# Altium PCB mcb2.PcbDoc (part 1 of 2) (continued)
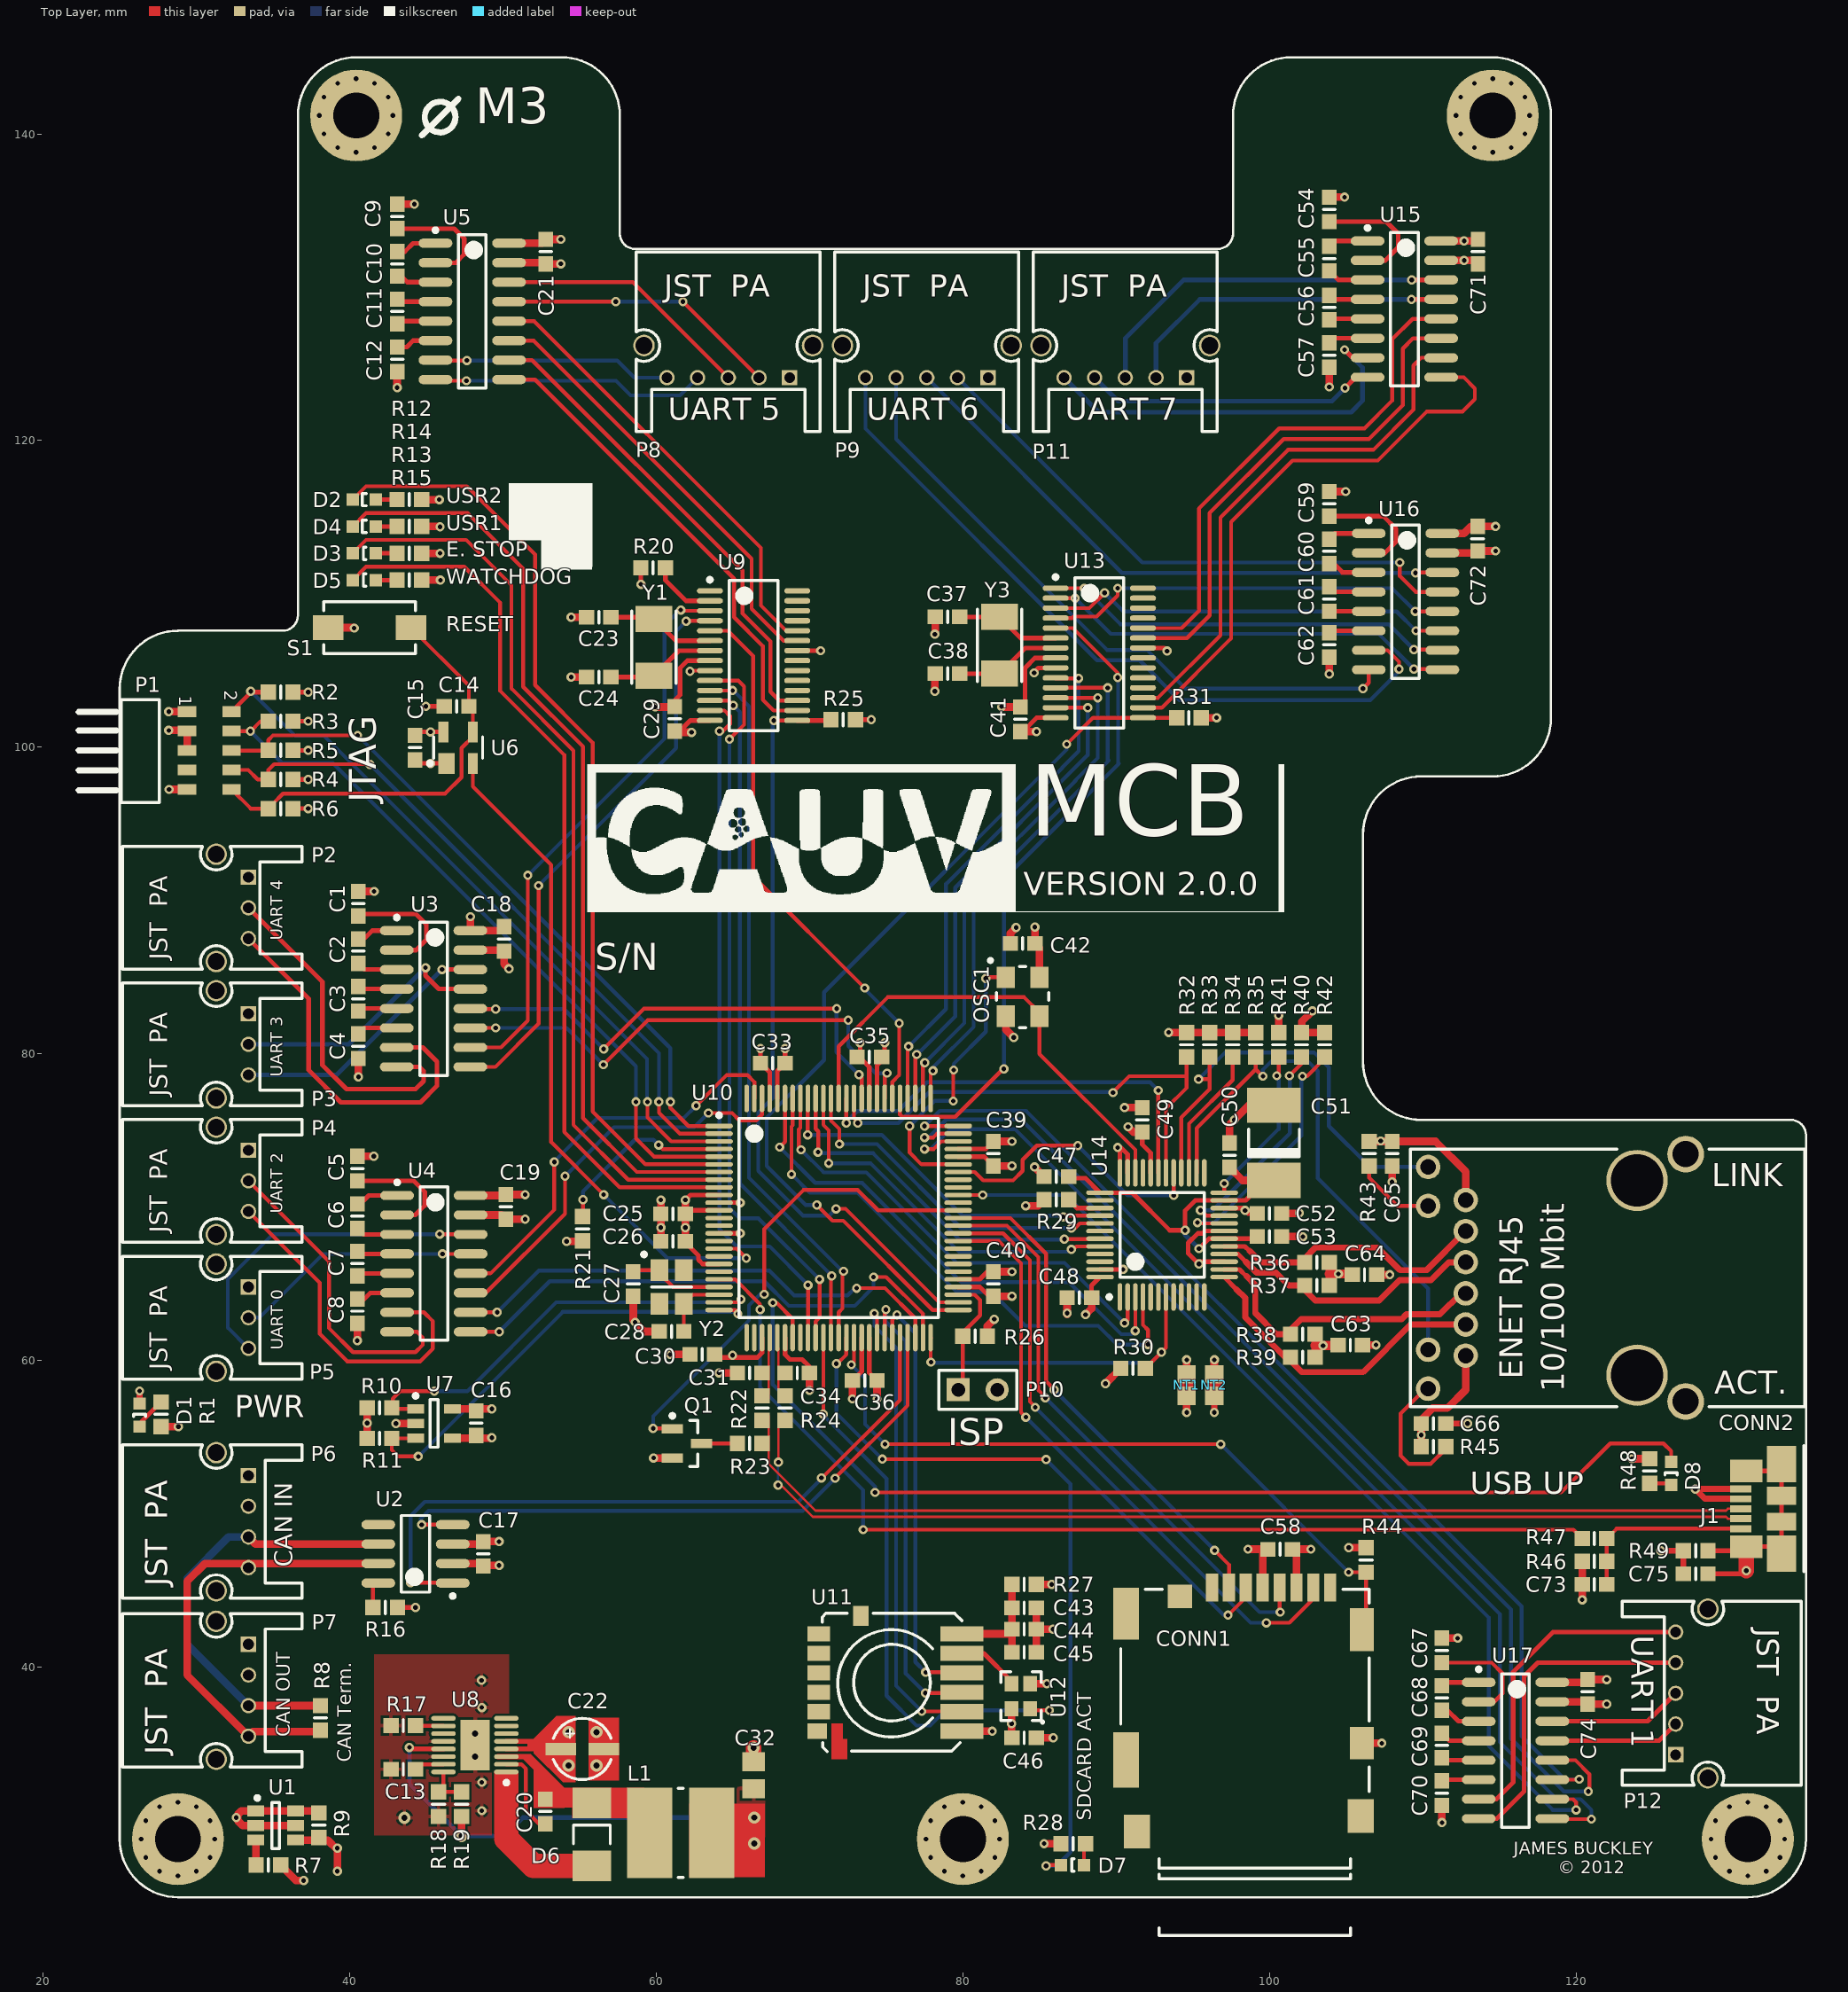
[diagram p0: Top Layer view]
## Footprints (in the part's own frame and the unit in brackets; to place one, negate y for a bottom-side part, rotate by r counter-clockwise, add the part's x,y. Pads: shape width x height; smd on the part's side, far side on the other; paste and mask are expansions set on the pad) (continued)
  rect 1x1 hole 0.7: 1(8,0)
  round 1 hole 0.7: 2(6,0) 3(4,0) 4(2,0) 5(0,0)
  round 1.4 hole 1.1: ""(-1.5,2.1) ""(9.5,2.1)
  silkscreen extent -2,-3.5 10,8.2, body extent -2,-3.5 10,8.2, height 6.5
SC16IS762IPW [mm] "NXP - SC16IS762IPW,112 - IC, DUAL UART, FIFO, 5MBPS 3.6V, TSSOP28"
  oval 1.7x0.35 smd: 1(-2.85,4.225) 2(-2.85,3.575) 3(-2.85,2.925) 4(-2.85,2.275) 5(-2.85,1.625) 6(-2.85,0.975) 7(-2.85,0.325) 8(-2.85,-0.325) 9(-2.85,-0.975) 10(-2.85,-1.625) 11(-2.85,-2.275) 12(-2.85,-2.925) 13(-2.85,-3.575) 14(-2.85,-4.225) 15(2.85,-4.225) 16(2.85,-3.575) 17(2.85,-2.925) 18(2.85,-2.275) 19(2.85,-1.625) 20(2.85,-0.975) 21(2.85,-0.325) 22(2.85,0.325) 23(2.85,0.975) 24(2.85,1.625) 25(2.85,2.275) 26(2.85,2.925) 27(2.85,3.575) 28(2.85,4.225)
  silkscreen extent -2.97,-4.9 1.6,5.07, body extent -2.25,-4.9 2.25,4.9, height 1.1
SDR0604-150YL [mm] "BOURNS - SDR0604-150YL - INDUCTOR, SMD, 15UH, 1.6A"
  rect 2.95x5.9 smd: 1(-2.025,0) 2(2.025,0)
  silkscreen extent -0.15,-2.9 0.15,2.9, body extent -2.9,-2.88 2.9,2.92, height 4.8
SN65HVD230DR [mm] "TEXAS INSTRUMENTS - SN65HVD230DR - TRANSCEIVER CAN, 65HVD230, SOIC8"
  oval 2.2x0.6 smd: 1(-2.425,1.905) 2(-2.425,0.635) 3(-2.425,-0.635) 4(-2.425,-1.905) 5(2.425,-1.905) 6(2.425,-0.635) 7(2.425,0.635) 8(2.425,1.905)
  silkscreen extent -2.55,-2.5 0.92,2.88, body extent -2,-2.5 2,2.5, height 1.75
SOIC127P600X175-16N [mm] "SOIC, 16-Leads, Body 10.0x4.0mm (max), Pitch 1.27mm, IPC Medium Density"
  oval 2.2x0.6 smd: 1(-2.4,4.445) 2(-2.4,3.175) 3(-2.4,1.905) 4(-2.4,0.635) 5(-2.4,-0.635) 6(-2.4,-1.905) 7(-2.4,-3.175) 8(-2.4,-4.445) 9(2.4,-4.445) 10(2.4,-3.175) 11(2.4,-1.905) 12(2.4,-0.635) 13(2.4,0.635) 14(2.4,1.905) 15(2.4,3.175) 16(2.4,4.445)
  silkscreen extent -2.52,-5 0.9,5.42, body extent -2,-5 2,5, height 1.75
STM811 [mm] "SOT143, 4-Leads, Body 3.0x2.6mm (max), Pitch 1.92mm, IPC Medium Density"
  rect 1.35x1.05 smd: 1(-1.025,0.76)
  rect 1.35x0.65 smd: 2(-1.025,-0.96) 3(1.025,-0.96) 4(1.025,0.96)
  silkscreen extent -1.15,-1.6 0.7,1.96, body extent -0.7,-1.52 0.7,1.52, height 1.12
T491C106K035AT [mm] "KEMET - T491C106K035AT - CAPACITOR, CASE C, 10UF, 35V"
  rect 2.3x3.5 smd: 1(-2.45,0) 2(2.45,0)
  silkscreen extent -0.9,-1.65 0.9,1.65, body extent -3.15,-1.75 3.15,1.75, height 2.8
USB_MICRO_CONNECTOR [mm] "MOLEX - 47346-0001 - RECEPTACLE, MICRO USB B, BOTTOM MOUNT"
  rect 1.38x0.45 smd: 1(2.66,0.46) 2(2.66,-0.19) 3(2.66,-0.84) 4(2.66,-1.49) 5(2.66,-2.14)
  rect 1.9x2.375 smd mask+0.16: 6(0,2.08) 6(0,-3.75)
  rect 1.9x1.175 smd mask+0.16: 6(0,0) 6(0,-1.68)
  rect 2.1x1.475 smd mask+0.16: 6(2.3,1.63) 6(2.3,-3.3)
  silkscreen extent -1.45,-4.94 -1.45,3.26, body extent -2.23,-4.81 3.2,3.17, height 2.69
VS-10BQ030TRPBF [mm] "VISHAY FORMERLY I.R. - VS-10BQ030TRPBF - DIODE, SCHOTTKY, 1A, 30V"
  rect 2x2.5 smd: 1(-2.05,0) 2(2.05,0)
  silkscreen extent -0.6,-1.2 0.6,1.2, body extent -2.2,-1.8 2.2,1.8, height 2.4

## Part data
C1 C2 C3 C4 C5 C6 C7 C8 C9 C10 C11 C12 C13 C14 C15 C16 C17 C18 C19 C20 C21 C23 C24 C25 C26 C27 C28 C29 C30 C31 C32 C33 C34 C35 C36 C37 C38 C39 C40 C41 C42 C43 C44 C45 C46 C47 C48 C49 C50 C52 C53 C54 C55 C56 C57 C58 C59 C60 C61 C62 C63 C64 C65 C66 C67 C68 C69 C70 C71 C72 C73 C74 C75: "Capacitor"
C22 C51: "Polarized Capacitor (Radial)"
CONN1: "MOLEX - 49225-0821 - CONNECTOR, MICRO SD, PUSH/PUSH, 8"
CONN2: "10/100 BASE T"
D1 D2 D3 D4 D5 D7 D8: library part LED2, "Typical RED, GREEN, YELLOW, AMBER GaAs LED"
D6: "Schottky Diode"
J1: "MOLEX - 47346-0001 - RECEPTACLE, MICRO USB B, BOTTOM MOUNT"
NT1 NT2: library part NetTie
OSC1: "TXC - 7C-50.000MBA-T - OSC, 50.000MHZ, 3.3V, SMD, 5.0X3.2"
P1: "Header, 5-Pin, Dual row"
P2 P3 P4 P5: "Header, 3-Pin, Right Angle"
P6 P7: "Header, 4-Pin"
P8 P9 P11 P12: "Header, 5-Pin, Right Angle"
P10: "Header, 2-Pin"
Q1: "P-Channel MOSFET"
R1 R2 R3 R4 R5 R6 R7 R9 R10 R11 R12 R13 R14 R15 R16 R17 R18 R19 R20 R21 R22 R23 R24 R25 R26 R27 R28 R29 R30 R31 R32 R33 R34 R35 R40 R41 R42 R43 R44 R45 R46 R47 R48 R49: library part Res2, "Resistor"
R8: "Resistor"
R36 R37 R38 R39: library part Res1, "Resistor"
S1: "Switch"
U1: "FAIRCHILD SEMICONDUCTOR - FDC608PZ - MOSFET, P, SMD, SSOT-6"
U2: "TEXAS INSTRUMENTS - SN65HVD230DR - TRANSCEIVER CAN, 65HVD230, SOIC8"
U3 U4 U5 U15 U16 U17: "TEXAS INSTRUMENTS - TRSF3232EID - RS232, 1MBIT, LINE DRIV/REC, 16SOIC"
U6: "STMICROELECTRONICS - STM811TW16F - MPU LOW RESET 3.08V, SOT-143-4, 811"
U7: "MICROCHIP - 24AA08T-I/OT - EEPROM SERIAL 8KB, SMD, SOT-23-5"
U9 U13: "NXP - SC16IS762IPW,112 - IC, DUAL UART, FIFO, 5MBPS 3.6V, TSSOP28"
U11: "SENSOR PRESURE 14 BAR 16BIT"
U12: "IQD FREQUENCY PRODUCTS - LF SPXO009686 - OSC, CFPS-109, 32.768K, SMD 2.6 X 2.1, 3"
U14: "100mbit Ethernet PHY"
Y1 Y2 Y3: "Crystal Oscillator"

## Free pads (board coordinates)
  round 6 hole 3: 1(28.8,28.8) 1(40.425,141.2) 1(80,28.8) 1(114.565,141.2) 1(131.2,28.8)

## Via types
v1: diameter 0.6, hole 0.3, Top Layer to Bottom Layer, 213 vias
v2: diameter 0.6, hole 0.3, Top Layer to Bottom Layer, tented both sides, 156 vias
v3: diameter 0.8, hole 0.4, Top Layer to Bottom Layer, tented both sides, 11 vias

## Nets (pads, with @x,y where several pads share a name; then routed paths per layer and width w, separated by ;. In a path a pad name is that pad's centre, name@x,y a point inside that pad or via, vN(x,y) a via of type N, cw(c..) or ccw(c..) an arc to the next point about the centre after c; other vN are vias at no path point)
+3.3: C15.1 C16.1 C17.1 C18.1 C19.1 C21.1 C25.1 C26.1 C29.1 C30.1 C32.1 C33.1 C35.1 C36.1 C39.1 C40.1 C41.1 C42.2 C46.2 C48.1 C49.1 C58.1 C63.1 C64.1 C65.2 C66.2 C71.1 C72.1 C74.1 CONN1.4 CONN2.1 CONN2.6 L1.1 NT1.1 OSC1.4 P1.1 Q1.3 R1.2 R2.2 R3.2 R4.2 R5.2 R6.2 R10.2 R11.2 R12.2 R13.2 R14.2 R15.2 R19.2 R20.2 R21.2 R25.2 R26.2 R27.2 R28.2 R29.2 R30.2 R31.2 R32.2 R33.2 R34.2 R35.2 R36.2 R37.2 R38.2 R39.2 R43.2 R44.2 R45.2 R48.2 U2.3 U3.16 U4.16 U5.16 U6.4 U7.4 U8.13 U9.8 U10.10 U10.12 U10.19 U10.28 U10.42 U10.54 U10.71 U10.84 U10.96 U12.4 U13.8 U14.32 U14.48 U15.16 U16.16 U17.16 | length 177.6
  Top Layer w0.3: R6.2@36.3,96 v2(37.3,96) ; R4.2@36.3,97.9 v2(37.3,97.9) ; R5.2@36.3,99.8 v2(37.3,99.8) ; R3.2@36.3,101.7 v2(37.3,101.7) ; R2.2@36.3,103.6 v2(37.3,103.6) ; v1(43.9,34.775) 44,34.675 U8.13@46.125,34.675 ; C15.1@44.5,101 U6.4@46.115,101 ; v1(59,110.625) R20.2@59,111.7 ; C29.1@61.2,102.65 61.2,103.05 61.55,103.4 61.55,105.175 62.025,105.65 U9.8@63.5,105.65 ; C26.1@61.9,67.775 61.9,67.7 62.75,66.85 62.75,66.575 63.025,66.3 U10.19@64.1,66.3 63.2,66.3 ; C25.1@61.9,69.575 C25.1@62.125,69.8 ; v2(61.9,70.475) 62.225,70.8 U10.10@64.1,70.8 ; C25.1@62.2,69.875 C25.1@62.125,69.8 ; C30.1@64,60.2 66.6,60.2 66.9,60.5 U10.28@66.9,61.5 ; U10.12@64.1,69.8 C25.1@62.125,69.8 ; U10.96@67.9,77.1 67.9,78.9 C33.1@68.4,79.4 v2(68.4,80.35) ; R25.2@73,101.8 v1(74.025,101.8) ; v2(73.3,80.725) 73.3,79.75 73.9,79.15 U10.84@73.9,77.1 ; U10.42@73.9,61.5 73.9,59.2 C36.1@74.4,58.7 ; U10.54@79.7,64.8 81.1,64.8 81.7,64.2 C40.1@82,64.2 ; U10.71@79.7,73.3 81.4,73.3 C39.1@82,72.7 ; C41.1@83.75,102.625 84.05,102.925 84.05,105.175 84.7,105.825 U13.8@86.05,105.825 ; C48.1@88.4,64.1 88.4,64.9 U14.48@88.95,65.45 ; C49.1@91.7,74.9 91.7,74.1 92.25,73.55 U14.32@92.25,72.25 ; C49.1@91.9,74.9 C49.1@91.9,75
  Top Layer w0.5: R1.2@27.7,55.7 v1(28.825,55.7) ; v1(28.2,102.325) P1.1@29.4,102.325 ; R11.2@41.15,54.925 R10.2@41.15,56.925 ; R15.2@44.7,110.9 v1(45.925,110.9) ; R13.2@44.7,112.65 v1(45.9,112.65) ; R14.2@44.7,114.4 45.875,114.4 v1(45.9,114.375) ; R12.2@44.7,116.15 v1(45.85,116.15) ; U7.4@46.707,54.952 49.252,54.952 v1(49.275,54.975) ; U2.3@46.725,48.035 C17.1@48.56,48.035 ; v3(47.3,29) R19.2@47.3,30.275 ; v1(47.875,88.95) U3.16@47.875,88.045 49.82,88.045 C18.1@50.075,88.3 ; U4.16@47.9,70.77 50.145,70.77 C19.1@50.2,70.825 v1(51.45,70.825) ; C17.1@48.8,48.275 C17.1@48.725,48.2 ; v1(49.75,48.2) C17.1@48.725,48.2 ; U5.16@50.4,132.87 52.545,132.87 C21.1@52.8,133.125 v1(53.775,133.125) ; v1(54.15,67.775) 55.175,67.775 R21.2@55.2,67.8 ; v1(59.825,53.65) Q1.3@61.05,53.65 ; v1(59.925,102.625) 61.175,102.625 C29.1@61.2,102.65 ; C26.1@61.9,67.775 v2(61.9,68.675) C25.1@61.9,69.575 v2(61.9,70.475) ; v2(74.4,57.5) C36.1@74.4,58.7 ; R26.2@81.6,61.6 81.6,62.25 v1(82.05,62.7) ; C40.1@82,64.2 v2(83.2,64.2) ; C39.1@82,72.7 v2(83.2,72.7) ; v1(82.525,102.65) 82.55,102.625 C41.1@83.75,102.625 ; U12.4@83.175,37.3 83.175,35.425 C46.2@83.2,35.4 ; v2(84.1,70.1) 84.9,70.1 R29.2@85.3,70.5 ; v1(84.7,88.275) C42.2@84.7,87.2 85,86.9 OSC1.4@85,85 ; R27.2@84.8,45.4 v1(85.8,45.4) ; v1(85.3,28.5) R28.2@86.4,28.5 ; v1(88,63) 88.4,63.4 C48.1@88.4,64.1 ; v1@89.3,58.5 R30.2@90.3,59.5 ; v1(90.775,75.25) 91.125,74.9 C49.1@91.7,74.9 ; v1@93.425,81.4 R35.2@99.1,81.4 ; v1(94.6,56.625) NT1.1@94.6,57.7 ; R31.2@95.55,101.925 v1(96.55,101.925) ; v2(98.6,47.7) C58.1@99.9,47.7 99.56,47.36 CONN1.4@99.56,45.2 ; R39.2@102.975,60.222 102.975,60.975 R38.2@102.975,61.722 ; R37.2@103.9,64.9 103.9,65.653 R36.2@103.9,66.4 ; v1(105.175,47.8) R44.2@106.3,47.8 ; R43.2@106.5,74.3 110.825,74.3 112.8,72.325 CONN2.1@112.8,70.475 ; R45.2@109.9,54.4 C66.2@109.9,55.9 109.9,56.15 110.65,56.9 111.6,56.9 112.8,58.1 CONN2.6@112.8,60.325 ; U15.16@111.2,133.02 C71.1@113.495,133.02 ; U16.16@111.275,113.945 112.695,113.945 113.15,114.4 C72.1@113.575,114.4 v1(114.75,114.4) ; U17.16@118.45,39.02 C74.1@120.57,39.02 ; C74.1@120.75,39.2 v2(122,39.2) ; v1(123.65,53.6) R48.2@124.8,53.6 ; C17.1@48.56,48.035 C17.1@48.725,48.2 ; C17.1@48.56,48.035 C17.1@48.725,48.2
  Top Layer w0.6: 102.975,60.975 C63.1@104.428,60.975 ; 103.9,65.653 C64.1@105.347,65.653
  Bottom Layer w0.3: v1(43.9,34.775) 43.9,32.4 v3(47.3,29) 50.1,29 51.3,30.2 v3(66.4,30.2)
  other v1: 89.3,58.5 93.425,81.4
  other v2: 83.175,36.325 109.9,55.15 41.15,55.925 64.975,60.35 103.5,60.975 104.5,65.653 107.25,74.325 45.275,101 112.7,133.02
  other v3: 66.4,28.5
+3.3A: C52.1 NT1.2 R40.2 R42.2 U14.22 | length 6.5
  Top Layer w0.3: U14.22@97.05,69.95 98.25,69.95 98.6,69.6 C52.1@99.2,69.6
  Top Layer w0.5: NT1.2@94.6,59 v1(94.6,60.05) ; v1(102.8,82.8) 102.1,82.1 R40.2@102.1,81.4 R42.2@103.6,81.4
  other v2: 98.406,69.794
A\C\T\_\L\E\D\: CONN2.9 R35.1 U14.26 | length 35.5
  Top Layer w0.25: U14.26@95.25,72.25 95.25,75.15 99.1,79 ; R35.1@99.1,79.8 99.1,79 ; v1(99.575,78.55) 99.55,78.55 99.1,79
  Bottom Layer w0.25: v1(99.575,78.55) 99.575,78.975 100.125,79.525 102.5,79.525 103.15,78.875 103.15,71.9 110.35,64.7 CONN2.9@110.35,60.71
AGND: C52.2 NT2.2 U14.15 U14.19 | length 8.7
  Top Layer w0.25: U14.19@97.025,68.425 U14.19@97.05,68.45
  Top Layer w0.3: v2(95.4,66.3) v2@95.25,66.45 ; U14.15@97.05,66.45 v2@95.25,66.45 ; U14.19@97.05,68.45 95.798,68.45 95.648,68.3 95.325,68.3 94.7,67.675 94.7,67 v2@95.25,66.45 ; C52.2@100.8,69.6 C52.2@101.2,69.6
  Top Layer w0.5: NT2.2@96.4,59.1 96.4,60.048 v1(96.405,60.053) ; C52.2@100.8,69.6 101.925,69.6 v1(101.95,69.625)
B\R\D\_\R\E\S\E\T\: C14.1 P1.10 R6.1 S1.2 U6.3 | length 28
  Top Layer w0.25: P1.10@32.3,97.25 33.55,96 R6.1@34.7,96 ; R6.1@34.7,96.3 34.975,96.3 35.65,96.975 46.225,96.975 47.3,98.05 47.3,99.95 48.035,100.685 48.035,102.415 C14.1@47.775,102.675 47.775,104.025 S1.2@44,107.8
CAN.RXD: U2.4 U10.47 | length 42
  Top Layer w0.25: v1(44.7,49.3) U2.4@46.72,49.3 ; v1(71.675,52.325) 71.656,52.306 71.633,52.306 71.633,52.309 76.4,57.076 U10.47@76.4,61.5
  Bottom Layer w0.25: v1(44.7,49.3) 44.65,49.35 44.65,49.7 45.15,50.2 69.55,50.2 v1(71.675,52.325) v1@71.675,52.139
CAN.TXD: U2.1 U10.46 | length 46.3
  Top Layer w0.25: v1(43.975,45.525) 46.695,45.525 U2.1@46.725,45.495 ; v1(70.775,52.35) 70.825,52.35 75.9,57.425 U10.46@75.9,61.5
  Bottom Layer w0.25: v1(43.975,45.525) 43.975,49.874 44.901,50.8 69.275,50.8 70.775,52.3 v1(70.775,52.35)
CTS_TIE: R20.1 U9.2 | length 4.3
  Top Layer w0.3: R20.1@60.6,111.7 60.6,110.9 61.95,109.55 U9.2@63.5,109.55
ENET_OSC_EN: OSC1.1 U10.70 | length 19
  Top Layer w0.25: v1(76.525,75.3) 76.525,73.575 77.3,72.8 U10.70@79.7,72.8 ; v1(79.375,76.925) 79.375,78.925 v1(79.4,78.95) ; v1(81.5,84.925) 81.575,85 OSC1.1@82.8,85
  Bottom Layer w0.25: v1(76.525,75.3) 78.175,76.95 79.35,76.95 v1(79.375,76.925) ; v1(79.4,78.95) 79.4,79.35 81.5,81.45 v1(81.5,84.925)
ENET_RD_N: CONN2.5 R39.1 U14.13 | length 20.5
  Top Layer w0.3: U14.13@97.05,65.45 97.85,64.65
  Top Layer w0.4: 97.85,64.65 98.415,64.085 98.415,62.827 101.02,60.222 R39.1@101.375,60.222 101.375,60 102.125,59.25 106.1,59.25 109.205,62.355 109.805,62.355 CONN2.5@112.8,62.355
ENET_RD_P: CONN2.4 R38.1 U14.14 | length 19.7
  Top Layer w0.3: U14.14@97.05,65.95 98.05,65.95 98.5,65.5
  Top Layer w0.4: 98.5,65.5 99.075,64.925 99.075,63.1 100.453,61.722 101.097,61.722 102.07,62.695 102.08,62.695 102.075,62.7 104.65,62.7 108.617,62.7 108.932,63.015 111.125,63.015 112.495,64.385 CONN2.4@112.8,64.385
ENET_TD_N: CONN2.3 R37.1 U14.16 | length 18.2
  Top Layer w0.3: U14.16@97.05,66.95 97.95,66.95 98.45,66.45
  Top Layer w0.4: 98.45,66.45 99.16,65.74 100.425,65.74 101.265,64.9 R37.1@102.3,64.9 102.3,64.625 103,63.925 107.16,63.925 108.475,65.24 110.528,65.24 111.703,66.415 CONN2.3@112.8,66.415
ENET_TD_P: CONN2.2 R36.1 U14.17 | length 18.4
  Top Layer w0.3: U14.17@97.05,67.45 98.4,67.45 98.7,67.15
  Top Layer w0.4: 98.7,67.15 99.45,66.4 R36.1@102.3,66.4 102.3,66.675 103,67.375 107.05,67.375 108.525,65.9 110.255,65.9 CONN2.2@112.8,68.445
GND: C1.2 C4.2 C5.2 C8.2 C9.2 C12.2 C13.2 C14.2 C15.2 C16.2 C17.2 C18.2 C19.2 C21.2 C22.2 C23.2 C24.2 C25.2 C26.2 C27.2 C28.2 C29.2 C30.2 C31.2 C32.2 C33.2 C34.2 C35.2 C36.2 C37.2 C38.2 C39.2 C40.2 C41.2 C42.1 C43.1 C44.1 C45.1 C46.1 C47.2 C48.2 C49.2 C50.2 C51.2 C53.2 C54.2 C57.2 C58.2 C59.2 C62.2 C63.2 C64.2 C65.1 C66.1 C67.2 C70.2 C71.2 C72.2 C73.2 C74.2 C75.2 CONN1.6 CONN1.10 CONN2.11 CONN2.12 CONN2.13 CONN2.14 D1.2 J1.4 J1.5 NT2.1 OSC1.2 P1.3 P1.5 P1.9 P2.1 P3.1 P4.1 P5.1 P6.1 P7.1 P8.1 P9.1 P10.2 P11.1 P12.1 R7.1 R16.1 R17.1 R18.1 R41.1 R46.1 R49.1 S1.1 U2.2 U3.15 U4.15 U5.15 U6.1 U7.2 U7.5 U8.12 U8.14 U8.17 U9.9 U9.14 U9.22 U10.11 U10.15 U10.31 U10.41 U10.55 U10.72 U10.83 U10.97 U11.1 U12.2 U13.9 U13.14 U13.22 U14.35 U14.36 U14.47 U15.15 U16.15 U17.15 | length 153.4
  Top Layer w0.25: v1(62.2,104.95) 62.25,105 U9.9@63.5,105
  Top Layer w0.3: R16.1@43.125,43.9 v1(44.3,43.9) ; C15.2@44.5,98.95 U6.1@46.315,98.95 ; v1(44.975,102.675) C14.2@46.175,102.675 ; C29.2@61.45,100.975 62.225,101.75 U9.14@63.5,101.75 ; U10.15@64.1,68.3 v2(65.475,68.3) ; U10.11@64.1,70.3 v2(65.475,70.3) ; v2(66.8,80.35) C33.2@66.8,79.4 67.4,78.8 U10.97@67.4,77.1 ; U10.31@68.4,61.5 68.4,60.4 68.725,60.075 69.525,60.075 70,59.6 C34.2@70,59.2 ; U9.22@69.2,106.3 v1(70.725,106.3) ; C36.2@72.8,58.7 73.4,59.3 U10.41@73.4,61.5 ; U10.83@74.4,77.1 74.4,79.25 74.9,79.75 v2(74.9,80.725) ; U10.55@79.7,65.3 81.1,65.3 81.6,65.8 C40.2@82,65.8 ; U10.72@79.7,73.8 81.5,73.8 C39.2@82,74.3 ; C41.2@83.75,101.025 83.925,101.025 84.825,101.925 U13.14@86.05,101.925 ; v1(84.654,104.855) 84.654,104.904 84.925,105.175 U13.9@86.05,105.175 ; U14.47@88.95,65.95 v2(90.45,65.95) ; U14.36@90.25,72.25 90.25,73.75 v2(90.1,73.9) 90.3,73.9 90.75,73.45 U14.35@90.75,72.25 ; U13.22@91.75,106.475 93.125,106.475 v1(93.325,106.275)
  Top Layer w0.4: D1.2@26.3,57.2 v1(26.3,58.025) ; v1(96.4,56.625) NT2.1@96.4,57.7 ; C66.1@111.5,55.9 v1(112.925,55.9) ; v1(125.525,47.6) R49.1@127,47.6 C75.2@127,46.1 ; v1(127.775,51.625) 128.41,50.99 J1.4@130.74,50.99 ; v1@127.775,51.64 J1.5@130.74,51.64
  Top Layer w0.5: v1(28.2,101.1) 29.356,101.1 P1.3@29.4,101.056 P1.5@29.4,99.788 ; v1(28.225,97.25) P1.9@29.4,97.25 ; R7.1@35.5,27.1 36.5,26.1 v2(37,26.1) ; S1.1@38.6,107.8 40.275,107.8 v1(40.3,107.775) ; v1(40.5,61.3) C8.2@40.5,62.425 ; C5.2@40.5,73.325 v1(41.575,73.325) ; v1(40.575,78.5) C4.2@40.575,79.7 ; C1.2@40.575,90.6 v1(41.6,90.6) ; v1(43.027,55.902) U7.2@44.307,55.902 ; v1(43.1,123.45) C12.2@43.1,124.5 ; C9.2@43.1,135.425 v1(44.225,135.425) ; U7.5@46.707,56.852 48.123,56.852 48.125,56.85 v1(49.275,56.85) ; U2.2@46.725,46.765 48.56,46.765 48.675,46.65 v1(49.75,46.65) ; U3.15@47.875,86.775 C18.2@50,86.775 ; U4.15@47.9,69.5 C19.2@49.925,69.5 ; C18.2@50.075,86.7 50.075,85.875 v1(50.4,85.55) ; C19.2@50.2,69.225 v1(51.45,69.225) ; U5.15@50.4,131.6 C21.2@52.725,131.6 ; C21.2@52.8,131.525 v1(53.775,131.525) ; v1(54.45,104.575) C24.2@55.45,104.575 ; v1(54.45,108.475) C23.2@55.45,108.475 ; C27.2@58.5,64.2 58.5,62.625 59.225,61.9 C28.2@60.2,61.9 ; C26.2@60.3,67.775 v2(60.3,70.475) ; v1(60.9,60.4) C30.2@62.2,60.4 ; C29.2@61.2,101.05 61.275,100.975 61.975,100.975 v1(62.3,100.975) ; v1(64.1,59.2) C31.2@65.3,59.2 ; v1(70,58.05) C34.2@70,59.2 ; v2(72.8,57.5) C36.2@72.8,58.7 ; v1(78.175,103.65) 78.175,104.775 C38.2@78.2,104.8 ; v1(78.175,107.375) 78.2,107.35 C37.2@78.2,108.5 ; U11.1@79.95,35.83 v1(81.92,35.83) ; C40.2@82,65.8 v2(83.2,65.8) ; C39.2@82,74.3 v2(83.2,74.3) ; OSC1.2@82.8,82.46 82.8,81.6 v1(83.325,81.075) ; C42.1@83.1,87.2 83.1,87.875 v1(83.475,88.25) ; C41.2@83.925,101.025 v1(84.8,101.025) ; U12.2@84.4,38.925 v1(85.475,38.925) ; v2(84.675,72.625) C47.2@85.3,72 ; C46.1@84.8,35.4 v1(85.9,35.4) ; C45.1@84.8,40.981 C43.1@84.8,43.881 ; C44.1@84.8,42.481 v1(85.881,42.481) ; v2(86.8,63.1) 86.8,63 C48.2@86.8,64.1 ; v1(90.55,76.5) C49.2@91.7,76.5 ; C50.2@97.4,74.2 97.4,75.4 v2(97.7,75.7) 98.65,76.65 C51.2@100.3,76.65 ; R41.1@100.6,81.4 v1(100.6,82.525) ; C53.2@100.8,68.1 102.15,68.1 v1(102.175,68.075) ; CONN1.6@101.76,45.2 101.76,47.44 C58.2@101.5,47.7 v2(102.7,47.7) ; v1(103.9,104.775) C62.2@103.9,105.875 ; C59.2@103.9,116.675 v1(104.975,116.675) ; v2(103.9,123.5) C57.2@103.9,124.775 ; C54.2@103.9,135.875 v1(104.9,135.875) ; CONN1.10@106.025,35.05 v1(107.325,35.05) ; C63.2@106.075,61.022 v1(106.95,61.022) ; C64.2@107,65.6 v1(107.85,65.6) ; v1(108,71.65) C65.1@108,72.7 ; U15.15@111.2,131.75 C71.2@113.375,131.75 ; v1(111.25,29.875) C70.2@111.25,31 ; C67.2@111.25,41.9 v1(112.275,41.9) ; U16.15@111.275,112.675 C72.2@113.45,112.675 ; C72.2@113.575,112.8 v1(114.75,112.8) ; U17.15@118.45,37.75 C74.2@120.6,37.75 ; v1(120.4,44.4) R46.1@120.4,46.9 ; C74.2@120.75,37.6 v2(122,37.6)
  Top Layer w1: C32.2@66.35,33.836 v3(66.35,34.75)
  other v2: 48.625,30.65 48.625,32.5 48.625,37.375 48.6,39.15 58.625,62.5 60.3,68.675 45.275,98.95 112.7,131.75
  other v3: 43.575,30.186 56.1,33.6 48.175,34.163 48.175,35.687 56.1,35.775
I2C.SCL: R10.1 U7.1 U10.24 | length 29
  Top Layer w0.25: U7.1@44.307,56.852 42.823,56.852 42.823,57.523 43.3,58 v1(45.525,58) ; U10.24@64.1,63.8 65.325,63.8 v1(65.525,64)
  Bottom Layer w0.25: v1(45.525,58) 47.675,58 53.475,63.8 65.325,63.8 v1(65.525,64)
I2C.SDA: R11.1 U7.3 U10.25 | length 30.4
  Top Layer w0.25: U7.3@44.28,54.925 R11.1@42.75,54.925 42.75,54.175 43.175,53.75 v1(44.475,53.75) ; U10.25@64.1,63.3 65.175,63.3 65.328,63.147 v1(65.328,63.053)
  Bottom Layer w0.25: v1(44.475,53.75) 53.9,63.175 65.206,63.175 v1(65.328,63.053)
L\I\N\K\_\L\E\D\: CONN2.7 R33.1 U14.28 | length 30.1
  Top Layer w0.25: U14.28@94.25,72.25 94.25,75.85 96.1,77.7 R33.1@96.1,79.8 ; v1(95.375,78.35) 96.075,78.35
  Bottom Layer w0.25: v1(95.375,78.35) 97.125,80.1 102.9,80.1 103.875,79.125 103.875,75.3 106.545,72.63 CONN2.7@110.35,72.63
M\A\I\M\_\L\E\D\: D3.2 U10.8 | length 59.8
  Top Layer w0.25: D3.2@40.2,112.65 41.075,113.525 47.6,113.525 50.55,110.575 50.55,103.834 54.6,99.784 54.6,75.375 58.175,71.8 U10.8@64.1,71.8
NetC1_1: C1.1 U3.2 | length 7.8
  Top Layer w0.3: C1.1@40.7,89.125 44.325,89.125 45,88.45 45,87.45 44.325,86.775 U3.2@43.075,86.775